# Altium PCB LimeKEY-RPCM_1v2.PcbDoc (part 1 of 8) (continued)
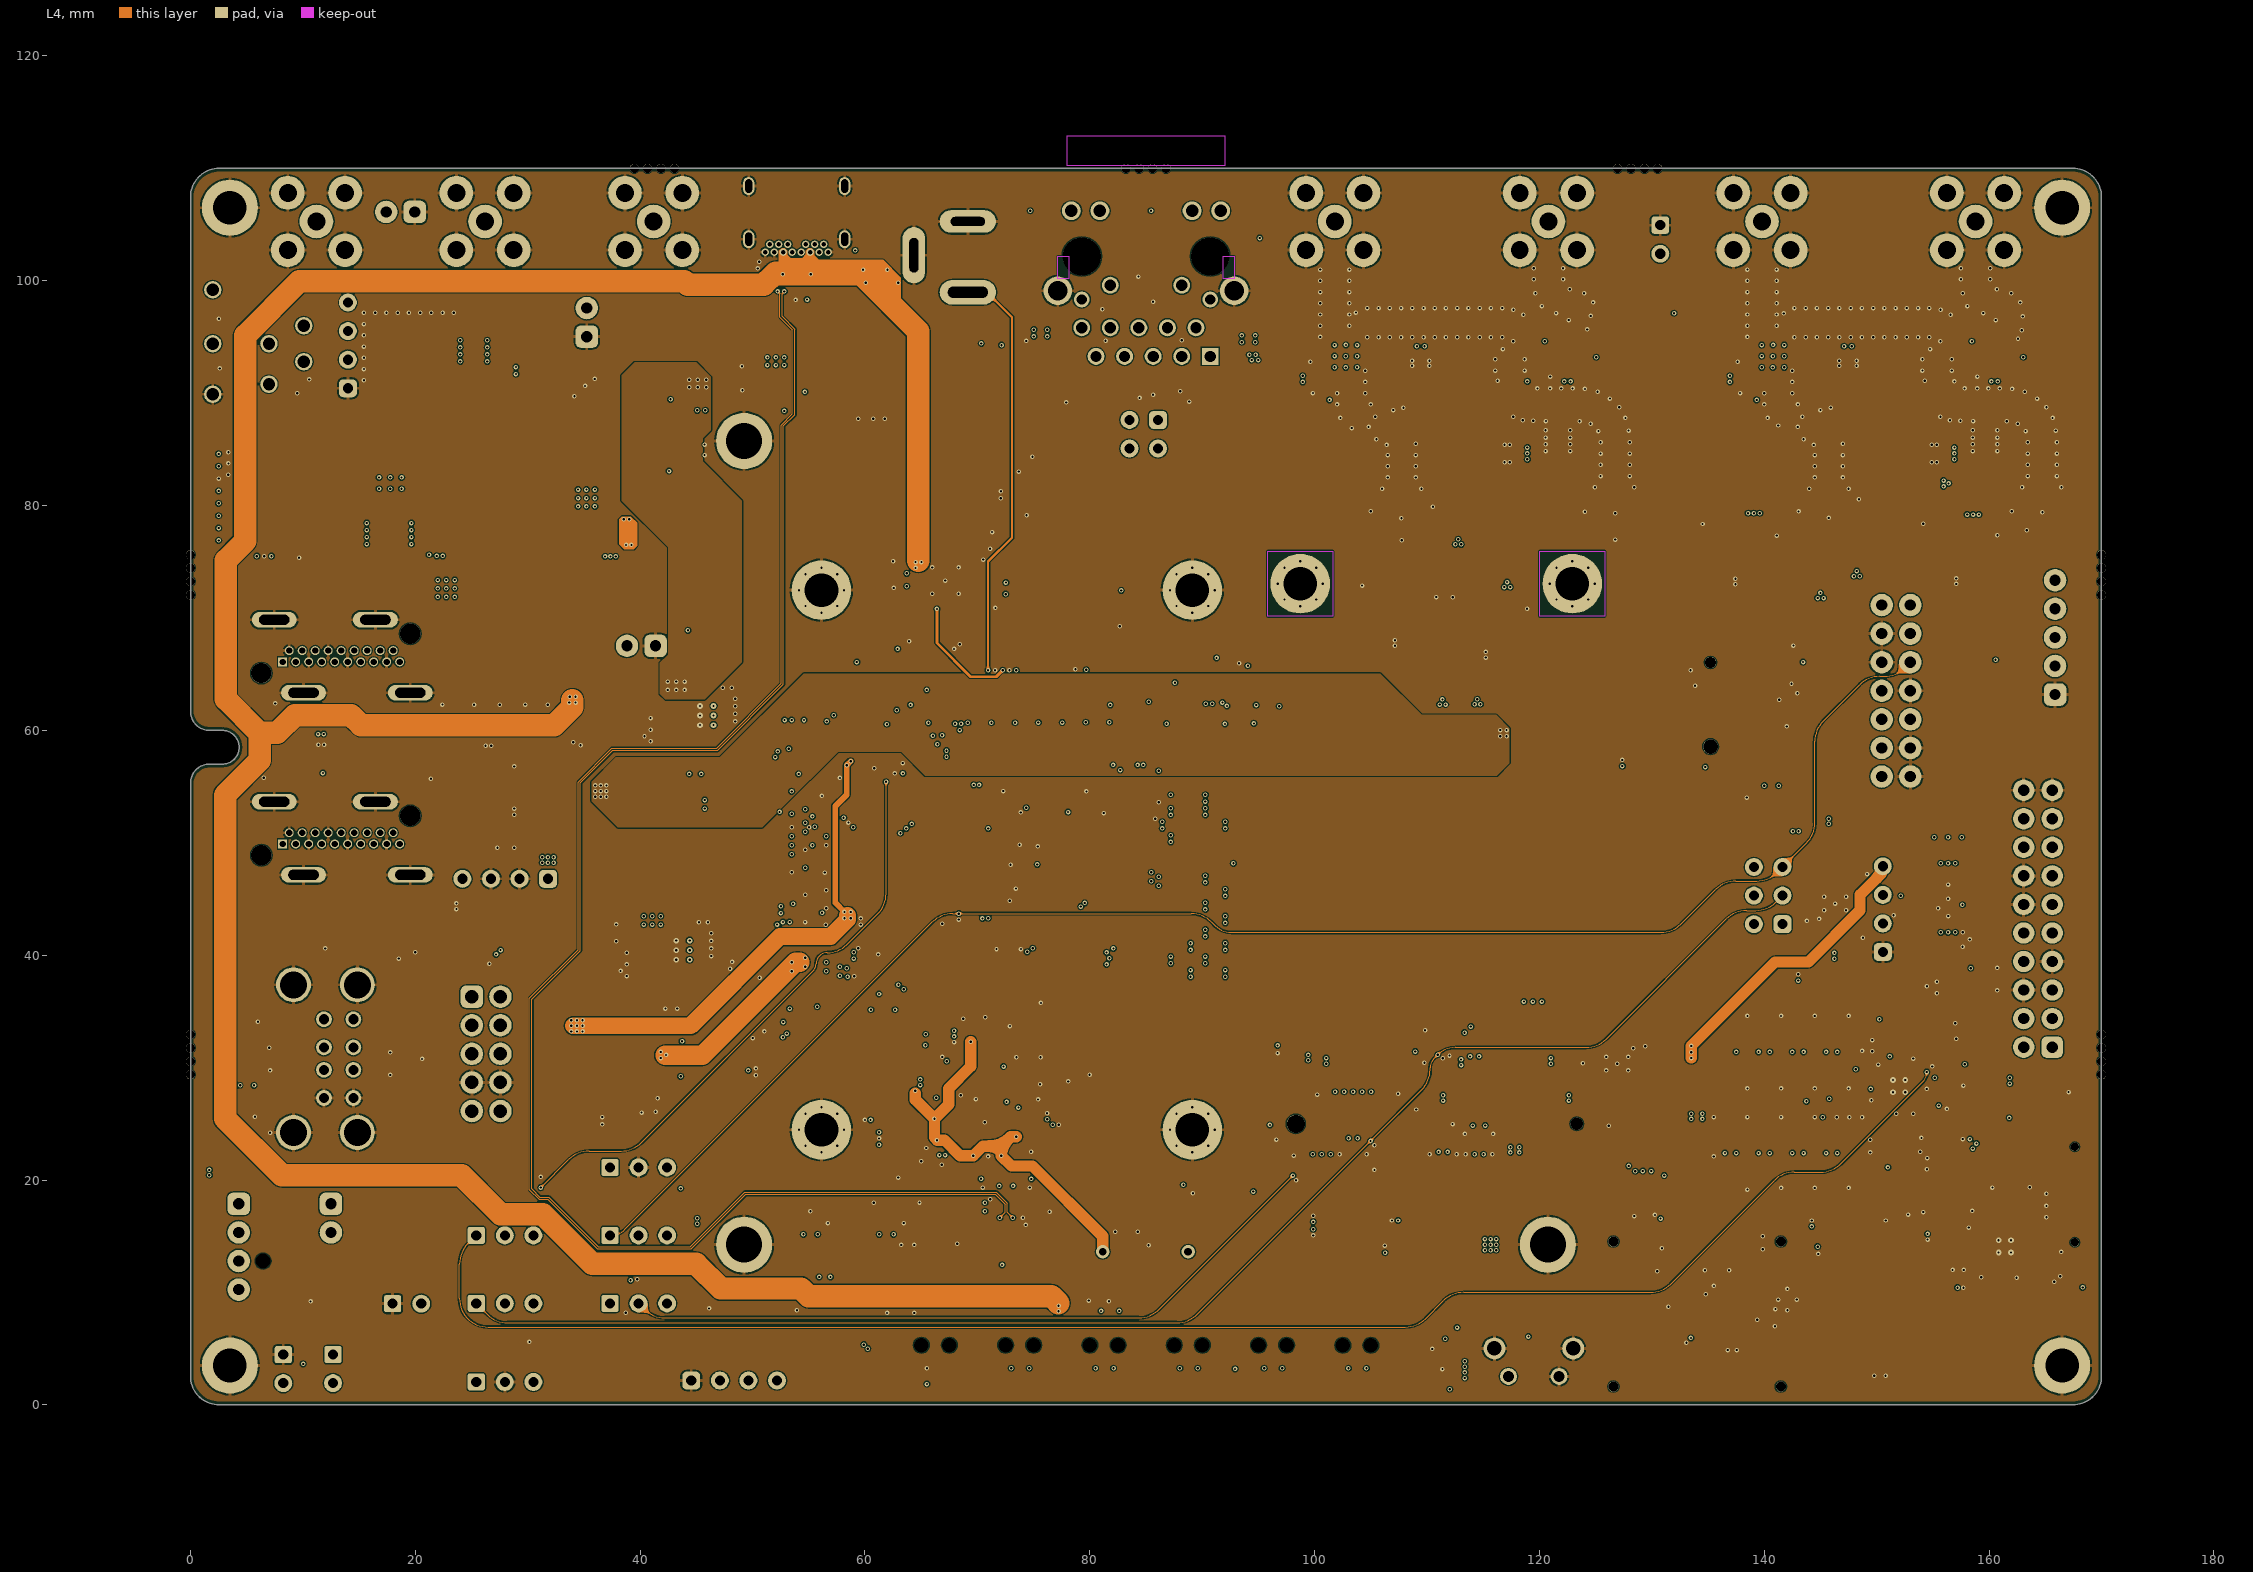
[diagram p4: L4]
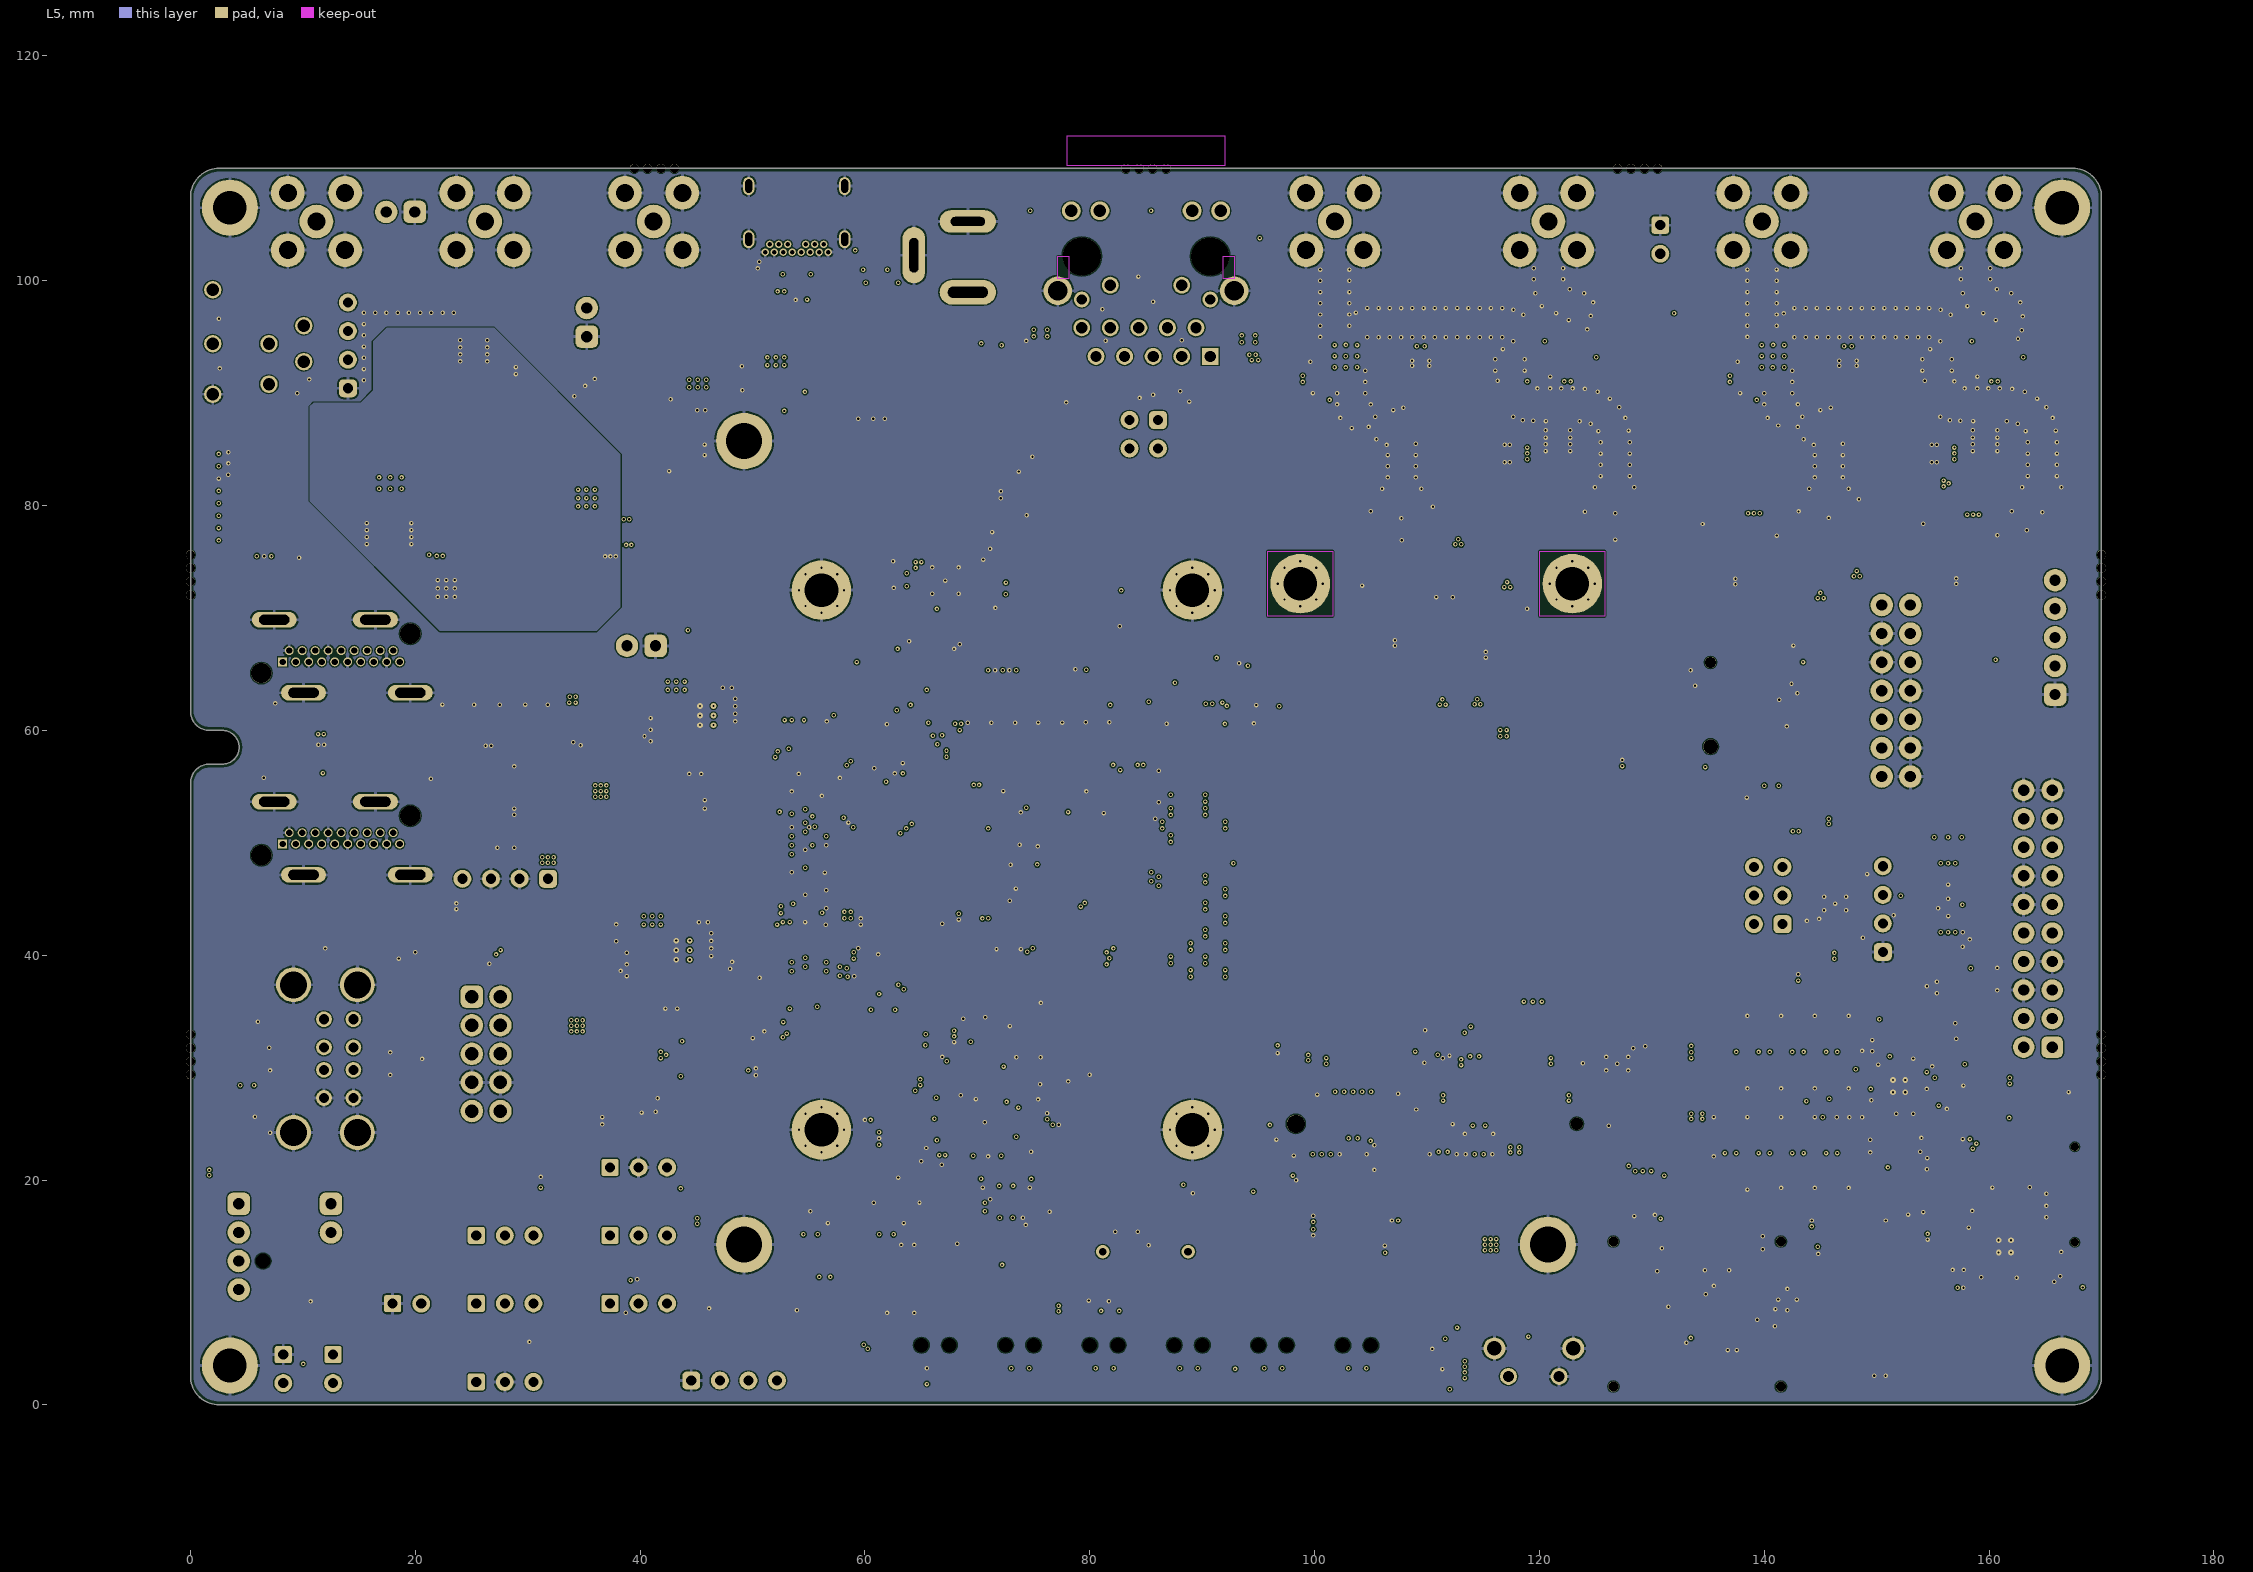
[diagram p5: L5]

## Layer stack, top to bottom
TopSolder: solder mask 0.0102, Solder Resist, Dk 3.5
Top: signal copper 0.0178
Dielectric1: core 0.173, FR-4, Dk 4.8
L2: signal copper 0.0356
Dielectric2: prepreg 0.65, Dk 4.2
L3: signal copper 0.036
Dielectric 4: core 0.2, Dk 4.2
L4: signal copper 0.036
Dielectric 5: prepreg 0.127, Dk 4.2
L5: signal copper 0.036
Dielectric3: core 0.254, FR-4, Dk 4.2
Bottom: signal copper 0.0178
BottomSolder: solder mask 0.0102, Solder Resist, Dk 3.5

## Board outline
0,2.54 0,28.25 0,34.075 0,55.324 cw(c1.674,55.324) 1.674,56.998 2.823,56.998 ccw(c2.823,58.498) 4.323,58.498 ccw(c2.823,58.498) 2.823,59.998 1.674,59.998 cw(c1.674,61.672) 0,61.672 0,70.925 0,76.75 0,107.46 cw(c2.54,107.46) 2.54,110 167.46,110 cw(c167.46,107.46) 170,107.46 170,76.75 170,70.925 170,34.075 170,28.25 170,2.54 cw(c167.46,2.54) 167.46,0 2.54,0 cw(c2.54,2.54)

## Design rules (kind name [scope] priority, off if disabled: settings)
BoardOutlineClearance [All] p1: gap=0.3 ignorepadtopadclearanceinfootprint=FALSE
Clearance Clearance_MINI_PCIe [Keepout vs InComponent('J3') or (isvia)] p1: gap=0 ignorepadtopadclearanceinfootprint=TRUE
Clearance [All] p2: gap=0.1 ignorepadtopadclearanceinfootprint=FALSE
ComponentClearance ComponentClearance_XTRX_standoffs [HasFootprint('MINIPCIE_CONNECTOR_XTRX')] p1: gap=-1 collisioncheckmode=3 verticalgap=0.254 showdistances=FALSE
ComponentClearance ComponentClearance_RF_shield [HasFootprint('RF_SHIELD_COVER_16Px916P9_2118715-2') vs HasFootprint('RF_SHIELD_FRAME_16P5x16P5_2118716-2_v1')] p2: gap=-1 collisioncheckmode=3 verticalgap=2540 showdistances=FALSE
ComponentClearance ComponentClearance_EEPROM1 [InComponent('IC10') vs InComponent('IC11')] p3: gap=-1 collisioncheckmode=3 verticalgap=2540 showdistances=FALSE
ComponentClearance ComponentClearance_AUTHENTICATION [InComponent('IC12') vs InComponent('IC13')] p4: gap=-1 collisioncheckmode=3 verticalgap=2540 showdistances=FALSE
ComponentClearance ComponentClearance_CLK_jumpers [InComponent('R142') or InComponent('R145') or InComponent('R138') vs InComponent('R142') or InComponent('R145') or InComponent('R138')] p5: gap=-1 collisioncheckmode=3 verticalgap=2540 showdistances=FALSE
ComponentClearance ComponentClearance_IN_EXT_CONNECTOR [InComponent('R53') or InComponent('R54') vs InComponent('R53') or InComponent('R54')] p6: gap=-1 collisioncheckmode=3 verticalgap=2540 showdistances=FALSE
ComponentClearance ComponentClearance_RAPI_nuts [HasFootprint('FP-DF40C-100DS-0.4V(51)') vs IsFree] p7: gap=-10 collisioncheckmode=3 verticalgap=2540 showdistances=FALSE
ComponentClearance ComponentClearance_RAPI_nuts_1 [HasFootprint('FP-DF40C-100DS-0.4V(51)') or ((ObjectKind = '3D Body') And (ModelType = 'Generic Model') And (Identifier = 'CM4')) or ((ObjectKind = '3D Body') And (Layer = 'Mechanical13') And (ModelType = 'Generic Model') And (Identifier = '9774015243')) vs ((ObjectKind = '3D Body') And (Layer = 'Mechanical13') And (ModelType = 'Generic Model') And (Identifier = '622162x5')) or ((ObjectKind = '3D Body') And (Layer = 'Mechanical13') And (ModelType = 'Generic Model') And (Identifier = '9774015243'))] p8: gap=-10 collisioncheckmode=3 verticalgap=2540 showdistances=FALSE
ComponentClearance ComponentClearance_USB2_header [HasFootprint('Header5x2_TH') vs ((ObjectKind = '3D Body') And (Layer = 'Mechanical13') And (ModelType = 'Generic Model') And (Identifier = 'TSW-105-07-G-D-009'))] p9: gap=-10 collisioncheckmode=3 verticalgap=2540 showdistances=FALSE
ComponentClearance [All] p10: gap=0.01 collisioncheckmode=3 verticalgap=0.254 showdistances=FALSE
DiffPairsRouting DiffPairsRouting_ETH [InNetClass('ETH')] p1: maxlimit=0.3 minlimit=0.1 mostfreqgap=0.14 toplayer_minwidth=0.1 toplayer_maxwidth=1 toplayer_prefwidth=0.2 midlayer1_minwidth=0.1 midlayer1_maxwidth=1 midlayer1_prefwidth=0.2 midlayer2_minwidth=0.1 midlayer2_maxwidth=1 midlayer2_prefwidth=0.2 midlayer3_minwidth=0.1 midlayer3_maxwidth=1 midlayer3_prefwidth=0.2 midlayer4_minwidth=0.1 midlayer4_maxwidth=1 midlayer4_prefwidth=0.2 bottomlayer_minwidth=0.1 bottomlayer_maxwidth=1 bottomlayer_prefwidth=0.2 maxuncoupledlength=25
DiffPairsRouting [All] p2: maxlimit=0.3 minlimit=0.1 mostfreqgap=0.1 toplayer_minwidth=0.1 toplayer_maxwidth=1 toplayer_prefwidth=0.2 midlayer1_minwidth=0.1 midlayer1_maxwidth=1 midlayer1_prefwidth=0.2 midlayer2_minwidth=0.1 midlayer2_maxwidth=1 midlayer2_prefwidth=0.2 midlayer3_minwidth=0.1 midlayer3_maxwidth=1 midlayer3_prefwidth=0.2 midlayer4_minwidth=0.1 midlayer4_maxwidth=1 midlayer4_prefwidth=0.2 bottomlayer_minwidth=0.1 bottomlayer_maxwidth=1 bottomlayer_prefwidth=0.2 maxuncoupledlength=25
FabricationTestPointUsage TestPointUsage [All] p1: valid=0 allowmultiple=FALSE
FabricationTestpoint Testpoint [All] p1: side=3 testpointundercomponent=TRUE minsize=1.016 maxsize=2.54 preferedsize=1.524 minholesize=0.508 maxholesize=1.016 preferedholesize=0.813 testpointgrid=0.025 allowsidetop=TRUE allowsidebottom=TRUE usegrid=TRUE gridtolerance=0
Height [All] p1: minheight=0 maxheight=40 prefheight=12.7
HoleSize [All] p1: absolutevalues=TRUE maxlimit=10 minlimit=0.2 maxpercent=80.000 minpercent=20.000
HoleToHoleClearance [All] p1: gap=0.15 allowstackedmicrovias=TRUE
MatchedLengths MatchedLengths_HDMI0 [InNetClass('HDMI0')] p1: tolerance=1.6 checknetsindiffpair=FALSE checkdiffpairvsdiffpair=TRUE checkxsignals=TRUE checkothers=TRUE
MatchedLengths MatchedLengths_DSI1 [InNetClass('DSI1')] p2: tolerance=1.6 checknetsindiffpair=FALSE checkdiffpairvsdiffpair=TRUE checkxsignals=TRUE checkothers=TRUE
MatchedLengths MatchedLengths_HDMI1 [InNetClass('HDMI1')] p3: tolerance=1.6 checknetsindiffpair=FALSE checkdiffpairvsdiffpair=TRUE checkxsignals=TRUE checkothers=TRUE
MatchedLengths MatchedLengths_ETH [InNetClass('ETH')] p4: tolerance=1.6 checknetsindiffpair=FALSE checkdiffpairvsdiffpair=TRUE checkxsignals=TRUE checkothers=TRUE
MatchedLengths MatchedLengths_uSD [InNetClass('uSD_CARD')] p5: tolerance=1.6 checknetsindiffpair=FALSE checkdiffpairvsdiffpair=TRUE checkxsignals=TRUE checkothers=TRUE
MinimumSolderMaskSliver [All] p1: minsoldermaskwidth=0.099
PlaneClearance [All] p1: clearance=0
PolygonConnect PolygonConnect_GND_VIA [InNet('GND') and isvia] p1: connectstyle=Direct reliefconductorwidth=0.254 reliefentries=4 polygonreliefangle="90 Angle" airgapwidth=0.254
PolygonConnect PolygonConnect_GND [InNet('GND')] p2: connectstyle=Relief reliefconductorwidth=0.3 reliefentries=4 polygonreliefangle="90 Angle" airgapwidth=0.15
PolygonConnect PolygonConnect_GNDE2 [InNet('GNDE2')] p3: connectstyle=Direct reliefconductorwidth=0.3 reliefentries=4 polygonreliefangle="90 Angle" airgapwidth=0.15
PolygonConnect PolygonConnect_VCC3P3 [InNet('VCC3P3')] p4: connectstyle=Direct reliefconductorwidth=0.254 reliefentries=4 polygonreliefangle="90 Angle" airgapwidth=0.254
PolygonConnect PolygonConnect_VCC3P3_2 [InNet('VCC3P3_2')] p5: connectstyle=Direct reliefconductorwidth=0.254 reliefentries=4 polygonreliefangle="90 Angle" airgapwidth=0.254
PolygonConnect PolygonConnect_VCC5P0 [InNet('VCC5P0')] p6: connectstyle=Direct reliefconductorwidth=0.254 reliefentries=4 polygonreliefangle="90 Angle" airgapwidth=0.254
PolygonConnect PolygonConnect_VCC1P8_INT [InNet('VCC_INT')] p7: connectstyle=Direct reliefconductorwidth=0.254 reliefentries=4 polygonreliefangle="90 Angle" airgapwidth=0.254
PolygonConnect PolygonConnect_VCC1P8 [InNet('VCC1P8')] p8: connectstyle=Direct reliefconductorwidth=0.254 reliefentries=4 polygonreliefangle="90 Angle" airgapwidth=0.254
PolygonConnect [All] p9: connectstyle=Relief reliefconductorwidth=0.254 reliefentries=4 polygonreliefangle="90 Angle" airgapwidth=0.254
RoutingVias [All] p1: holewidth=0.2 width=0.4 viastyle="Through Hole" minholewidth=0.2 minwidth=0.31 maxholewidth=4.5 maxwidth=5
SilkToSilkClearance [All] p1: silktosilkclearance=0.1
SilkToSolderMaskClearance SilkscreenOverComponentPads [IsPad] p1: minsilkscreentomaskgap=0.254 clearancetoexposedcopper=TRUE
SolderMaskExpansion [All] p1: expansion=0.05
Width Width_ClumsyConnection [All] p1: maxlimit=7 minlimit=0.1 preferedwidth=0.2 checkconnectedcopper=TRUE
Width [All] p2: maxlimit=5 minlimit=0.1 preferedwidth=0.2
19 further rules are at their usual default settings.

## Classes and differential pairs
net class RPI_GPIO: RPI_GPIO2 RPI_GPIO4 RPI_GPIO22 RPI_GPIO27 RPI_ID_SC RPI_ID_SD RPI_SPI0_MISO RPI_SPI0_MOSI RPI_SPI0_SCLK RPI_UART0_RX RPI_UART0_TX
net class HDMI1: HDMI1_CLK_N HDMI1_CLK_P HDMI1_D0_N HDMI1_D0_P HDMI1_D1_N HDMI1_D1_P HDMI1_D2_N HDMI1_D2_P
net class HDMI0: HDMI0_CLK_N HDMI0_CLK_P HDMI0_D0_N HDMI0_D0_P HDMI0_D1_N HDMI0_D1_P HDMI0_D2_N HDMI0_D2_P
net class RPI_PCIE: PCIE_PET0_N PCIE_PET0_P RPI_PCIE_CLK_N RPI_PCIE_CLK_P RPI_PCIE_RX_N RPI_PCIE_RX_P RPI_PCIE_TX_N RPI_PCIE_TX_P
net class ETH: ETH_TRD0_N ETH_TRD0_P ETH_TRD1_N ETH_TRD1_P ETH_TRD2_N ETH_TRD2_P ETH_TRD3_N ETH_TRD3_P
net class DSI1: DSI1_CLK_N DSI1_CLK_P DSI1_D0_N DSI1_D0_P DSI1_D1_N DSI1_D1_P
net class CAM1: CAM1_CLK_N CAM1_CLK_P CAM1_D0_N CAM1_D0_P CAM1_D1_N CAM1_D1_P
net class VCC_INT: VCC_INT
net class RPI_LEDS: RPI_LED1_G RPI_LED1_R RPI_LED2_G RPI_LED2_R RPI_LED3_G RPI_LED3_R RPI_LED4_G RPI_LED4_R RPI_STATUS_LED_G RPI_STATUS_LED_R
component class 12_Power: C215 C216 C217 C218 C219 C220 C221 C222 C223 C224 C225 C226 C227 C228 C229 C230 C231 C232 C233 C234 C235 C236 C237 C238 C239 C240 C241 F1 F2 F3 F4 F5 F6 F7 F8 F9 F10 FAN1 FR13 FR14 FR15 IC45 IC46 IC47 IC48 IC49 J49 J50 J51 J52 J53 L6 L7 L8 MECH30 MECH31 MECH32 MECH33 Q? R237 R238 R239 R240 R241 R242 R243 R244 R245 R246 R247 R248 R249 R250 R251 R252 R253 R254 R255 R256 TP3 TP4 TP5 TP6 TP7 TP8 TP9 TP10 VD19 VD20 VD21 VD22 VD23
component class 08_USB: C56 C57 C58 C59 C60 C61 C62 C63 C64 C65 C66 C67 C68 C69 C70 C71 C72 C73 C74 C75 C76 C77 C78 C79 C80 C81 C82 C83 IC19 IC20 IC21 IC22 IC23 IC24 J27 J28 J29 J30 J31 R94 R95 R96 R97 R98 R99 R100 R101 R102 R103 R104 R105 R106 R107 R108 R109 R110 R111 R112 R113 R114 R115 R116 R117 R118 R119 R120 R121 R122 R123 R124 R125 R126 R127 R128 R129 R130 R131 VD9 VD10 VD11 VD12 VD13 VD14 VD15 VD16 VD17 XT2
component class 10_RFFE: C134 C135 C136 C137 C138 C139 C140 C141 C142 C143 C144 C145 C146 C147 C148 C149 C150 C151 C152 C153 C154 C155 C156 C157 C158 C159 C160 C161 C162 C163 C164 C165 C166 C167 C168 C169 C170 C171 C172 C173 C174 C175 C176 C177 C178 C179 C180 C181 C182 C183 C184 C185 C186 C187 ESD1 ESD2 ESD3 ESD4 FR9 FR10 IC30 IC31 IC32 IC33 IC34 IC35 IC36 IC37 IC38 IC39 IC40 IC41 J40 J41 J42 J43 J44 J45 J46 J47 L1 L2 L3 L4 MECH19 MECH20 MECH21 MECH22 MECH23 MECH24 MECH25 MECH26 R171 R172 R173 R174 R175 R176 R177 R178 R179 R180 R181 R182 R183 R184 R185 R186 R187 R188 R189 R190 R191 R192 R193 R194 R195 R196
component class 11_PoE_USB_PD: AT1 BR1 BR2 C188 C189 C190 C191 C192 C193 C194 C195 C196 C197 C198 C199 C200 C201 C202 C203 C204 C205 C206 C207 C208 C209 C210 C211 C212 C213 C214 D2 D3 D4 D5 D6 D7 D8 D9 FR11 FR12 IC42 IC43 IC44 J48 L5 LED7 LED8 R197 R198 R199 R200 R201 R202 R203 R204 R205 R206 R207 R208 R209 R210 R211 R212 R213 R214 R215 R216 R217 R218 R219 R220 R221 R222 R223 R224 R225 R226 R227 R228 R229 R230 R231 R232 R233 R234 R235 R236 T1 TP1 TP2 VD18 VT3 VT4 VT6 VT7
component class 05_RPi_mPCIe: C1 C2 C3 C4 C5 C6 FL1 FL2 FL3 FL4 J1 J2 J3 J4 J5 J6 JMP1 R1 R2 R3 R4 R5 R6 R7 R8 R9 R10
net class VCC3P3_LMK2: VCC3P3_LMK_VDDO
component class 06_Misc_1: C7 C8 C9 C10 C11 C12 C13 C14 C15 C16 C17 C18 C19 C20 C21 C22 C23 C24 C25 C26 C27 C28 C29 C30 C31 C32 FR1 FR2 IC1 IC2 IC3 IC4 IC5 IC6 IC7 J7 J8 J9 J10 J11 J12 J13 J14 J15 J16 J17 J18 J19 R11 R12 R13 R14 R15 R16 R17 R18 R19 R20 R21 R22 R23 R24 R25 R26 R27 R28 R29 R30 R31 R32 R33 R34 R35 R36 R37 R38 R39 VD1 VD2 VD3 VD4 VD5 VD6 VD7 VD8
component class 07_Misc_2: BATT1 BTN1 BZ1 C33 C34 C35 C36 C37 C38 C39 C40 C41 C42 C43 C44 C45 C46 C47 C48 C49 C50 C51 C52 C53 C54 C55 D1 FR3 IC8 IC9 IC10 IC11 IC12 IC13 IC14 IC15 IC16 IC17 IC18 J20 J21 J22 J23 J24 J25 J26 LED1 LED2 LED3 LED4 LED5 LED6 MECH13 MECH14 MECH15 MECH16 MECH17 MECH18 R40 R41 R42 R43 R44 R45 R46 R47 R48 R49 R50 R51 R52 R53 R54 R55 R56 R57 R58 R59 R60 R61 R62 R63 R64 R65 R66 R67 R68 R69 R70 R71 R72 R73 R74 R75 R76 R77 R78 R79 R80 R81 R82 R83 R84 R85 R86 R87 R88 R89 R90 R91 R92 R93 VT1 VT2 XT1
component class 09_Clock: C84 C85 C86 C87 C88 C89 C90 C91 C92 C93 C94 C95 C96 C97 C98 C99 C100 C101 C102 C103 C104 C105 C106 C107 C108 C109 C110 C111 C112 C113 C114 C115 C116 C117 C118 C119 C120 C121 C122 C123 C124 C125 C126 C127 C128 C129 C130 C131 C132 C133 FR4 FR5 FR6 FR7 FR8 IC25 IC26 IC27 IC28 IC29 J32 J33 J34 J35 J36 J37 J38 J39 R132 R133 R134 R135 R136 R137 R138 R139 R140 R141 R142 R143 R144 R145 R146 R147 R148 R149 R150 R151 R152 R153 R154 R155 R156 R157 R158 R159 R160 R161 R162 R163 R164 R165 R166 R167 R168 R169 R170 XO1 XO2 XO3 XO4 XO5
net class CLK_PATH: NetC87_1 NetC87_2 NetC88_2 NetR138_2 NetR142_1 REF_CLK_IN
net class uSD_CARD: RPI_SD_CLK RPI_SD_CMD RPI_SD_D0 RPI_SD_D1 RPI_SD_D2 RPI_SD_D3
net class VCC1P5: VCC1P5
net class VCC3P3_CLK: VCC3P3_CLK
net class VCC3P3_LMK: VCC3P3_LMK
net class VCC3P3: VCC3P3
net class VCC5P0: VCC5P0
differential pair USB_HUB_D5: +USB_HUB_D5_P -USB_HUB_D5_N
differential pair USB_HUB_D4: +USB_HUB_D4_P -USB_HUB_D4_N
differential pair USB_HUB_D3: +USB_HUB_D3_P -USB_HUB_D3_N
differential pair USB_HUB_D2: +USB_HUB_D2_P -USB_HUB_D2_N
differential pair USB_HUB_D1: +USB_HUB_D1_P -USB_HUB_D1_N
differential pair USB_HUB_D0: +USB_HUB_D0_P -USB_HUB_D0_N
differential pair PCIE_USB: +PCIE_USB_P -PCIE_USB_N
differential pair PCIE_PET0: +PCIE_PET0_P -PCIE_PET0_N
differential pair HDMI1_D2: +HDMI1_D2_P -HDMI1_D2_N
differential pair HDMI1_D1: +HDMI1_D1_P -HDMI1_D1_N
differential pair HDMI1_D0: +HDMI1_D0_P -HDMI1_D0_N
differential pair HDMI1_CLK: +HDMI1_CLK_P -HDMI1_CLK_N
differential pair HDMI0_D2: +HDMI0_D2_P -HDMI0_D2_N
differential pair HDMI0_D1: +HDMI0_D1_P -HDMI0_D1_N
differential pair HDMI0_D0: +HDMI0_D0_P -HDMI0_D0_N
differential pair HDMI0_CLK: +HDMI0_CLK_P -HDMI0_CLK_N
differential pair DSI1_D1: +DSI1_D1_P -DSI1_D1_N
differential pair DSI1_D0: +DSI1_D0_P -DSI1_D0_N
differential pair DSI1_CLK: +DSI1_CLK_P -DSI1_CLK_N
differential pair CAM1_D1: +CAM1_D1_P -CAM1_D1_N
differential pair CAM1_D0: +CAM1_D0_P -CAM1_D0_N
differential pair CAM1_CLK: +CAM1_CLK_P -CAM1_CLK_N
differential pair RPI_USB_D: +RPI_USB_D_P -RPI_USB_D_N
differential pair RPI_PCIE_TX: +RPI_PCIE_TX_P -RPI_PCIE_TX_N
differential pair RPI_PCIE_RX: +RPI_PCIE_RX_P -RPI_PCIE_RX_N
differential pair RPI_PCIE_CLK: +RPI_PCIE_CLK_P -RPI_PCIE_CLK_N
differential pair ETH_TRD3: +ETH_TRD3_P -ETH_TRD3_N
differential pair ETH_TRD2: +ETH_TRD2_P -ETH_TRD2_N
differential pair ETH_TRD1: +ETH_TRD1_P -ETH_TRD1_N
differential pair ETH_TRD0: +ETH_TRD0_P -ETH_TRD0_N
differential pair EXT_USB_D: +EXT_USB_D_P -EXT_USB_D_N
